# EAGLE board Mk4 Final Panel (EAGLE 9.0.1), part 16 of 18
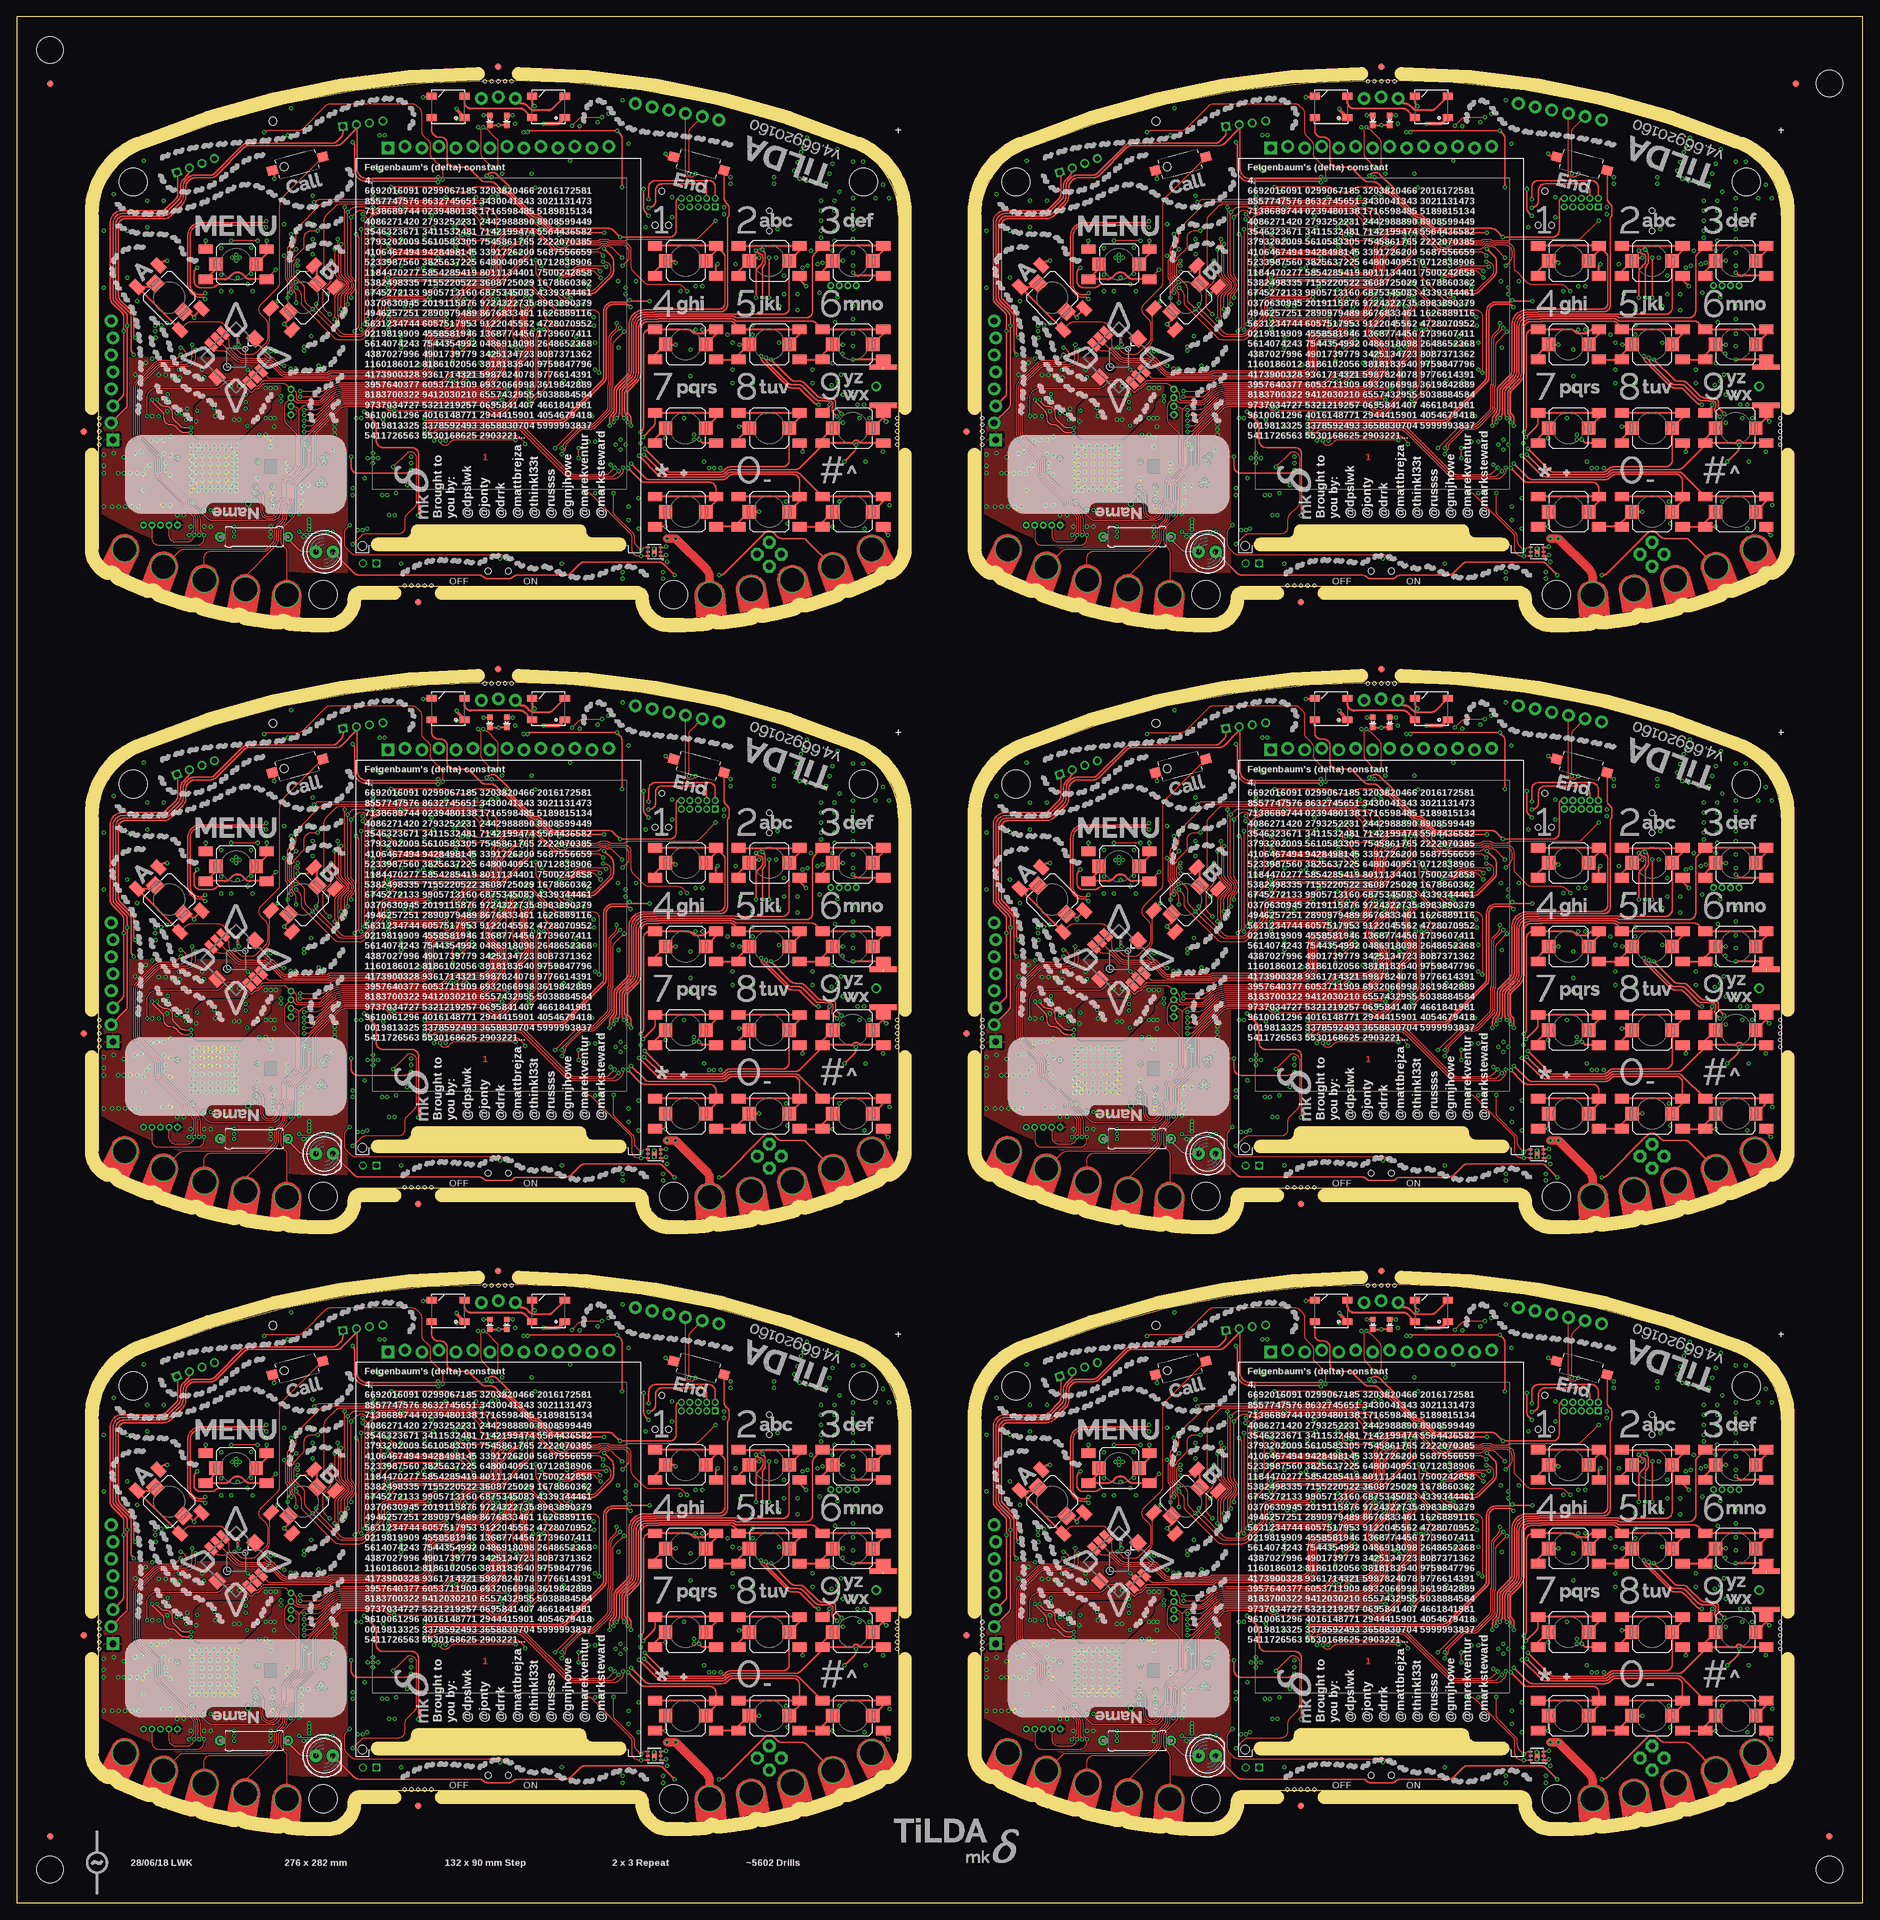
[diagram p0: board, top side]
## Tracks (layer width: path | path; a pad name or v marks a point on that pad's centre or on a via) (continued)
T4CCP10  (via drill 0.3) (continued)
  Bottom 0.15: v187.8,223.65 arc-45 187.29,223.86 184.34,226.81 arc45 182.92,227.4 177.23,227.4 arc-45 176.52,227.69 172.93,231.29 arc-45 172.8,231.6 172.8,231.75 arc90 171.05,233.5 168.06,233.5 arc-45 167.36,233.79 165.76,235.39 arc45 164.53,235.9 155.11,235.9 arc-45 v154.41,236.19 v154.4,236.2
  Bottom 0.2: v209,239.2 209.44,239.63 arc-90 210.14,239.63 210.43,239.35 arc45 210.78,239.2 IC92.127
T4CCP11  (via drill 0.3)
  Top 0.15: PCB5.CH1 172.38,201.9 arc45 172.09,202.61 171.74,202.96 arc-45 171.45,203.66 171.45,204.89 arc-45 171.74,205.59 173.28,207.12 arc45 173.6,207.91 173.6,211.46 arc-45 173.89,212.17 176.23,214.51 arc45 176.6,215.39 176.6,219.21 arc-45 176.89,219.92 180.38,223.41 arc-45 181.09,223.7 186.59,223.7 arc-45 187.29,223.41 187.45,223.25 arc45 187.81,223.1 v188.4,223.1 194,223.1 194.05,223.05 201.94,223.05 arc-45 202.64,222.76 arc45 203.02,222.6 204.08,222.6 arc45 205.14,223.04 206.66,224.56 arc45 207.1,225.62 207.1,229.49 arc-45 207.39,230.19 208.41,231.21 arc45 208.93,232.45 208.93,233.34 208.9,233.37 arc45 208.66,233.94 208.49,234.11 arc-45 208.2,234.81 208.2,237.19 arc-45 208.49,237.89 v209.8,239.2
  3V3@2 0.15: v153.6,235.9 153.6,233.6 153,233 151,233 150.25,232.25 150.25,231 148.16,228.91 JP53.5
  Bottom 0.15: v188.4,223.1 187.81,223.1 arc-45 187.45,223.25 184.11,226.59 arc45 182.88,227.1 177.11,227.1 arc-45 176.4,227.39 172.65,231.15 arc-45 172.5,231.5 172.5,231.7 arc90 171,233.2 168.02,233.2 arc-45 167.13,233.57 165.54,235.16 arc45 164.48,235.6 154.31,235.6 arc-45 v153.61,235.89 v153.6,235.9
  Bottom 0.2: IC92.128 210.41,238.8 arc-45 210.05,238.95 v209.8,239.2
TCA_!INT  (via drill 0.3)
  Top 0.15: v72.4,58.6 arc-45 72.12,58.02 70.29,56.19 arc90 70.29,53.71 71.85,52.15 arc-45 72,51.79 72,51.71 arc-45 71.85,51.35 71.65,51.15 arc45 71.5,50.79 71.5,50.35 arc-45 71.06,49.28 70.61,48.84 arc-45 69.55,48.4 66.91,48.4 arc45 66.21,48.11 v65.7,47.6
  Bottom 0.15: R76.1 66.7,39.25 arc-90 65.7,40.25 v65.7,47.6 | IC1.15 72.6,58.19 arc45 72.45,58.55 v72.4,58.6
  Bottom 0.2: IC4.22 87.71,38.25 arc-45 87.35,38.4 87.06,38.69 arc-45 87.05,38.72 arc45 86.9,39.07 86.87,39.1 arc45 86.52,39.25 R76.1
TCA_!INT1  (via drill 0.3)
  Top 0.15: v204.4,58.6 arc-45 204.12,58.02 202.29,56.19 arc90 202.29,53.71 203.85,52.15 arc-45 204,51.79 204,51.71 arc-45 203.85,51.35 203.65,51.15 arc45 203.5,50.79 203.5,50.35 arc-45 203.06,49.28 202.62,48.84 arc-45 201.55,48.4 198.91,48.4 arc45 198.21,48.11 v197.7,47.6
  Bottom 0.15: R152.1 198.7,39.25 arc-90 197.7,40.25 v197.7,47.6 | IC20.15 204.6,58.19 arc45 204.45,58.55 v204.4,58.6
  Bottom 0.2: IC31.22 219.71,38.25 arc-45 219.35,38.4 219.06,38.69 arc-45 219.05,38.72 arc45 218.9,39.07 218.87,39.1 arc45 218.51,39.25 R152.1
TCA_!INT2  (via drill 0.3)
  Top 0.15: v72.4,148.6 arc-45 72.12,148.02 70.29,146.19 arc90 70.29,143.71 71.85,142.15 arc-45 72,141.79 72,141.71 arc-45 71.85,141.35 71.65,141.15 arc45 71.5,140.79 71.5,140.35 arc-45 71.06,139.28 70.61,138.84 arc-45 69.55,138.4 66.91,138.4 arc45 66.21,138.11 v65.7,137.6
  Bottom 0.15: R230.1 66.7,129.25 arc-90 65.7,130.25 v65.7,137.6 | IC38.15 72.6,148.19 arc45 72.45,148.55 v72.4,148.6
  Bottom 0.2: IC49.22 87.71,128.25 arc-45 87.35,128.4 87.06,128.69 arc-45 87.05,128.72 arc45 86.9,129.07 86.87,129.1 arc45 86.52,129.25 R230.1
TCA_!INT3  (via drill 0.3)
  Top 0.15: v204.4,148.6 arc-45 204.12,148.02 202.29,146.19 arc90 202.29,143.71 203.85,142.15 arc-45 204,141.79 204,141.71 arc-45 203.85,141.35 203.65,141.15 arc45 203.5,140.79 203.5,140.35 arc-45 203.06,139.28 202.62,138.84 arc-45 201.55,138.4 198.91,138.4 arc45 198.21,138.11 v197.7,137.6
  Bottom 0.15: R308.1 198.7,129.25 arc-90 197.7,130.25 v197.7,137.6 | IC56.15 204.6,148.19 arc45 204.45,148.55 v204.4,148.6
  Bottom 0.2: IC67.22 219.71,128.25 arc-45 219.35,128.4 219.06,128.69 arc-45 219.05,128.72 arc45 218.9,129.07 218.87,129.1 arc45 218.51,129.25 R308.1
TCA_!INT4  (via drill 0.3)
  Top 0.15: v72.4,238.6 arc-45 72.12,238.02 70.29,236.19 arc90 70.29,233.71 71.85,232.15 arc-45 72,231.79 72,231.71 arc-45 71.85,231.35 71.65,231.15 arc45 71.5,230.79 71.5,230.35 arc-45 71.06,229.28 70.61,228.84 arc-45 69.55,228.4 66.91,228.4 arc45 66.21,228.11 v65.7,227.6
  Bottom 0.15: R386.1 66.7,219.25 arc-90 65.7,220.25 v65.7,227.6 | IC74.15 72.6,238.19 arc45 72.45,238.55 v72.4,238.6
  Bottom 0.2: IC85.22 87.71,218.25 arc-45 87.35,218.4 87.06,218.69 arc-45 87.05,218.72 arc45 86.9,219.07 86.87,219.1 arc45 86.52,219.25 R386.1
TCA_!INT5  (via drill 0.3)
  Top 0.15: v204.4,238.6 arc-45 204.12,238.02 202.29,236.19 arc90 202.29,233.71 203.85,232.15 arc-45 204,231.79 204,231.71 arc-45 203.85,231.35 203.65,231.15 arc45 203.5,230.79 203.5,230.35 arc-45 203.06,229.28 202.62,228.84 arc-45 201.55,228.4 198.91,228.4 arc45 198.21,228.11 v197.7,227.6
  Bottom 0.15: R464.1 198.7,219.25 arc-90 197.7,220.25 v197.7,227.6 | IC92.15 204.6,238.19 arc45 204.45,238.55 v204.4,238.6
  Bottom 0.2: IC103.22 219.71,218.25 arc-45 219.35,218.4 219.06,218.69 arc-45 219.05,218.72 arc45 218.9,219.07 218.87,219.1 arc45 218.51,219.25 R464.1
TPS_FB
  Bottom 0.25: IC9.2 R61.1 R60.2 C103.2
TPS_FB1
  Bottom 0.25: IC33.2 R139.1 R138.2 C211.2
TPS_FB2
  Bottom 0.25: IC51.2 R217.1 R216.2 C319.2
TPS_FB3
  Bottom 0.25: IC69.2 R295.1 R294.2 C427.2
TPS_FB4
  Bottom 0.25: IC87.2 R373.1 R372.2 C535.2
TPS_FB5
  Bottom 0.25: IC105.2 R451.1 R450.2 C643.2
UART0_CON_RX  (via drill 0.3)
  Top 0.15: v65.9,59.05 65.9,59.16 66.18,59.44 arc45 66.33,59.79 66.33,59.82 arc-45 66.47,60.17 67.51,61.21 arc-45 68.21,61.5 70.66,61.5 arc45 72.61,62.3 76.91,66.61 arc45 77.2,67.31 v77.2,69.5 | v101.5,78.5 v101.49,78.5 101.11,78.12 arc-45 100.76,77.97 100.47,77.97 arc-90 99.97,78.47 JP8.4
  Bottom 0.15: v65.9,59.05 65.85,59.05 65.75,58.95 arc-45 65.39,58.8 IC1.33 | v77.2,69.5 arc-45 77.47,70.14 80.13,72.81 arc-45 80.84,73.1 89.19,73.1 arc45 89.89,73.39 94.01,77.51 arc-45 94.71,77.8 100.59,77.8 arc45 100.95,77.95 v101.5,78.5
UART0_CON_RX1  (via drill 0.3)
  Top 0.15: v197.9,59.05 197.9,59.16 198.18,59.44 arc45 198.32,59.79 198.32,59.82 arc-45 198.47,60.17 199.51,61.21 arc-45 200.21,61.5 202.66,61.5 arc45 204.6,62.3 208.91,66.61 arc45 209.2,67.31 v209.2,69.5 | v233.5,78.5 v233.49,78.5 233.11,78.12 arc-45 232.76,77.97 232.47,77.97 arc-90 231.97,78.47 JP18.4
  Bottom 0.15: v197.9,59.05 197.85,59.05 197.75,58.95 arc-45 197.39,58.8 IC20.33 | v209.2,69.5 arc-45 209.47,70.14 212.13,72.81 arc-45 212.84,73.1 221.19,73.1 arc45 221.89,73.39 226.01,77.51 arc-45 226.71,77.8 232.59,77.8 arc45 232.95,77.95 v233.5,78.5
UART0_CON_RX2  (via drill 0.3)
  Top 0.15: v65.9,149.05 65.9,149.16 66.18,149.44 arc45 66.33,149.79 66.33,149.82 arc-45 66.47,150.17 67.51,151.21 arc-45 68.21,151.5 70.66,151.5 arc45 72.61,152.31 76.91,156.61 arc45 77.2,157.31 v77.2,159.5 | v101.5,168.5 v101.49,168.5 101.11,168.12 arc-45 100.76,167.97 100.47,167.97 arc-90 99.97,168.47 JP27.4
  Bottom 0.15: v65.9,149.05 65.85,149.05 65.75,148.95 arc-45 65.39,148.8 IC38.33 | v77.2,159.5 arc-45 77.47,160.14 80.13,162.81 arc-45 80.84,163.1 89.19,163.1 arc45 89.89,163.39 94.01,167.51 arc-45 94.71,167.8 100.59,167.8 arc45 100.95,167.95 v101.5,168.5
UART0_CON_RX3  (via drill 0.3)
  Top 0.15: v197.9,149.05 197.9,149.16 198.18,149.44 arc45 198.32,149.79 198.32,149.82 arc-45 198.47,150.17 199.51,151.21 arc-45 200.21,151.5 202.66,151.5 arc45 204.6,152.31 208.91,156.61 arc45 209.2,157.31 v209.2,159.5 | v233.5,168.5 v233.49,168.5 233.11,168.12 arc-45 232.76,167.97 232.47,167.97 arc-90 231.97,168.47 JP36.4
  Bottom 0.15: v197.9,149.05 197.85,149.05 197.75,148.95 arc-45 197.39,148.8 IC56.33 | v209.2,159.5 arc-45 209.47,160.14 212.13,162.81 arc-45 212.84,163.1 221.19,163.1 arc45 221.89,163.39 226.01,167.51 arc-45 226.71,167.8 232.59,167.8 arc45 232.95,167.95 v233.5,168.5
UART0_CON_RX4  (via drill 0.3)
  Top 0.15: v65.9,239.05 65.9,239.16 66.18,239.44 arc45 66.33,239.79 66.33,239.82 arc-45 66.47,240.17 67.51,241.21 arc-45 68.21,241.5 70.66,241.5 arc45 72.61,242.31 76.91,246.61 arc45 77.2,247.31 v77.2,249.5 | v101.5,258.5 v101.49,258.5 101.11,258.12 arc-45 100.76,257.98 100.47,257.98 arc-90 99.97,258.48 JP45.4
  Bottom 0.15: v65.9,239.05 65.85,239.05 65.75,238.95 arc-45 65.39,238.8 IC74.33 | v77.2,249.5 arc-45 77.47,250.14 80.13,252.81 arc-45 80.84,253.1 89.19,253.1 arc45 89.89,253.39 94.01,257.51 arc-45 94.71,257.8 100.59,257.8 arc45 100.95,257.95 v101.5,258.5
UART0_CON_RX5  (via drill 0.3)
  Top 0.15: v197.9,239.05 197.9,239.16 198.18,239.44 arc45 198.32,239.79 198.32,239.82 arc-45 198.47,240.17 199.51,241.21 arc-45 200.21,241.5 202.66,241.5 arc45 204.6,242.31 208.91,246.61 arc45 209.2,247.31 v209.2,249.5 | v233.5,258.5 v233.49,258.5 233.11,258.12 arc-45 232.76,257.98 232.47,257.98 arc-90 231.97,258.48 JP54.4
  Bottom 0.15: v197.9,239.05 197.85,239.05 197.75,238.95 arc-45 197.39,238.8 IC92.33 | v209.2,249.5 arc-45 209.47,250.14 212.13,252.81 arc-45 212.84,253.1 221.19,253.1 arc45 221.89,253.39 226.01,257.51 arc-45 226.71,257.8 232.59,257.8 arc45 232.95,257.95 v233.5,258.5
UART0_CON_TX  (via drill 0.3)
  Top 0.15: v65.8,59.8 arc-45 65.94,60.14 67.23,61.43 arc-45 68.12,61.8 70.56,61.8 arc45 72.33,62.53 76.11,66.31 arc45 76.4,67.01 v76.4,69.5 | v100.5,78.5 100.5,84.67 arc-45 100.79,85.38 JP8.5
  Bottom 0.15: v76.4,69.5 80.01,73.11 arc-45 80.71,73.4 89.04,73.4 arc45 89.74,73.69 93.86,77.81 arc-45 94.56,78.1 99.99,78.1 arc45 100.35,78.25 100.5,78.4 v100.5,78.5 | IC1.34 64.99,59.2 arc45 65.35,59.35 v65.8,59.8
UART0_CON_TX1  (via drill 0.3)
  Top 0.15: v197.8,59.8 arc-45 197.94,60.14 199.23,61.43 arc-45 200.12,61.8 202.56,61.8 arc45 204.33,62.53 208.11,66.31 arc45 208.4,67.01 v208.4,69.5 | v232.5,78.5 232.5,84.67 arc-45 232.79,85.38 JP18.5
  Bottom 0.15: v208.4,69.5 212.01,73.11 arc-45 212.71,73.4 221.04,73.4 arc45 221.74,73.69 225.86,77.81 arc-45 226.56,78.1 231.99,78.1 arc45 232.35,78.25 232.5,78.4 v232.5,78.5 | IC20.34 196.99,59.2 arc45 197.35,59.35 v197.8,59.8
UART0_CON_TX2  (via drill 0.3)
  Top 0.15: v65.8,149.8 arc-45 65.94,150.14 67.23,151.43 arc-45 68.12,151.8 70.56,151.8 arc45 72.33,152.53 76.11,156.31 arc45 76.4,157.01 v76.4,159.5 | v100.5,168.5 100.5,174.67 arc-45 100.79,175.38 JP27.5
  Bottom 0.15: v76.4,159.5 80.01,163.11 arc-45 80.71,163.4 89.04,163.4 arc45 89.74,163.69 93.86,167.81 arc-45 94.56,168.1 99.99,168.1 arc45 100.35,168.25 100.5,168.4 v100.5,168.5 | IC38.34 64.99,149.2 arc45 65.35,149.35 v65.8,149.8
UART0_CON_TX3  (via drill 0.3)
  Top 0.15: v197.8,149.8 arc-45 197.94,150.14 199.23,151.43 arc-45 200.12,151.8 202.56,151.8 arc45 204.33,152.53 208.11,156.31 arc45 208.4,157.01 v208.4,159.5 | v232.5,168.5 232.5,174.67 arc-45 232.79,175.38 JP36.5
  Bottom 0.15: v208.4,159.5 212.01,163.11 arc-45 212.71,163.4 221.04,163.4 arc45 221.74,163.69 225.86,167.81 arc-45 226.56,168.1 231.99,168.1 arc45 232.35,168.25 232.5,168.4 v232.5,168.5 | IC56.34 196.99,149.2 arc45 197.35,149.35 v197.8,149.8
UART0_CON_TX4  (via drill 0.3)
  Top 0.15: v65.8,239.8 arc-45 65.94,240.14 67.23,241.43 arc-45 68.12,241.8 70.56,241.8 arc45 72.33,242.53 76.11,246.31 arc45 76.4,247.01 v76.4,249.5 | v100.5,258.5 100.5,264.67 arc-45 100.79,265.38 JP45.5
  Bottom 0.15: v76.4,249.5 80.01,253.11 arc-45 80.71,253.4 89.04,253.4 arc45 89.74,253.69 93.86,257.81 arc-45 94.56,258.1 99.99,258.1 arc45 100.35,258.25 100.5,258.4 v100.5,258.5 | IC74.34 64.99,239.2 arc45 65.35,239.35 v65.8,239.8
UART0_CON_TX5  (via drill 0.3)
  Top 0.15: v197.8,239.8 arc-45 197.94,240.14 199.23,241.43 arc-45 200.12,241.8 202.56,241.8 arc45 204.33,242.53 208.11,246.31 arc45 208.4,247.01 v208.4,249.5 | v232.5,258.5 232.5,264.67 arc-45 232.79,265.38 JP54.5
  Bottom 0.15: v208.4,249.5 212.01,253.11 arc-45 212.71,253.4 221.04,253.4 arc45 221.74,253.69 225.86,257.81 arc-45 226.56,258.1 231.99,258.1 arc45 232.35,258.25 232.5,258.4 v232.5,258.5 | IC92.34 196.99,239.2 arc45 197.35,239.35 v197.8,239.8
UART1_SIM_RX  (via drill 0.3)
  Top 0.15: v81.1,63.4 82.34,63.4 arc45 83.04,63.69 83.38,64.03 arc-45 84.27,64.4 86.66,64.4 arc-45 86.9,64.3 v87.25,63.95
  Bottom 0.15: R36.1 TP9.TP 97.09,47.91 arc-45 96.8,48.61 96.8,51.34 arc45 96.51,52.05 87.52,61.04 arc-45 87.22,61.75 87.22,62.01 arc45 87.08,62.36 86.92,62.52 arc-45 86.78,62.87 86.78,63.01 arc-45 86.92,63.36 87.07,63.51 arc45 v87.25,63.95 | IC1.118 80.5,62.8 v81.1,63.4
UART1_SIM_RX1  (via drill 0.3)
  Top 0.15: v213.1,63.4 214.34,63.4 arc45 215.04,63.69 215.38,64.03 arc-45 216.27,64.4 218.66,64.4 arc-45 218.9,64.3 v219.25,63.95
  Bottom 0.15: R119.1 TP28.TP 229.09,47.91 arc-45 228.8,48.61 228.8,51.34 arc45 228.51,52.05 219.52,61.04 arc-45 219.22,61.75 219.22,62.01 arc45 219.08,62.36 218.92,62.52 arc-45 218.78,62.87 218.78,63.01 arc-45 218.92,63.36 219.07,63.51 arc45 v219.25,63.95 | IC20.118 212.5,62.8 v213.1,63.4
UART1_SIM_RX2  (via drill 0.3)
  Top 0.15: v81.1,153.4 82.34,153.4 arc45 83.04,153.69 83.38,154.03 arc-45 84.27,154.4 86.66,154.4 arc-45 86.9,154.3 v87.25,153.95
  Bottom 0.15: R197.1 TP47.TP 97.09,137.91 arc-45 96.8,138.61 96.8,141.34 arc45 96.51,142.05 87.52,151.04 arc-45 87.22,151.75 87.22,152.01 arc45 87.08,152.36 86.92,152.52 arc-45 86.78,152.87 86.78,153.01 arc-45 86.92,153.36 87.07,153.51 arc45 v87.25,153.95 | IC38.118 80.5,152.8 v81.1,153.4
UART1_SIM_RX3  (via drill 0.3)
  Top 0.15: v213.1,153.4 214.34,153.4 arc45 215.04,153.69 215.38,154.03 arc-45 216.27,154.4 218.66,154.4 arc-45 218.9,154.3 v219.25,153.95
  Bottom 0.15: R275.1 TP66.TP 229.09,137.91 arc-45 228.8,138.61 228.8,141.34 arc45 228.51,142.05 219.52,151.04 arc-45 219.22,151.75 219.22,152.01 arc45 219.08,152.36 218.92,152.52 arc-45 218.78,152.87 218.78,153.01 arc-45 218.92,153.36 219.07,153.51 arc45 v219.25,153.95 | IC56.118 212.5,152.8 v213.1,153.4
UART1_SIM_RX4  (via drill 0.3)
  Top 0.15: v81.1,243.4 82.34,243.4 arc45 83.04,243.69 83.38,244.03 arc-45 84.27,244.4 86.66,244.4 arc-45 86.9,244.3 v87.25,243.95
  Bottom 0.15: R353.1 TP85.TP 97.09,227.91 arc-45 96.8,228.61 96.8,231.34 arc45 96.51,232.05 87.52,241.04 arc-45 87.22,241.75 87.22,242.01 arc45 87.08,242.36 86.92,242.52 arc-45 86.78,242.87 86.78,243.01 arc-45 86.92,243.36 87.07,243.51 arc45 v87.25,243.95 | IC74.118 80.5,242.8 v81.1,243.4
UART1_SIM_RX5  (via drill 0.3)
  Top 0.15: v213.1,243.4 214.34,243.4 arc45 215.04,243.69 215.38,244.03 arc-45 216.27,244.4 218.66,244.4 arc-45 218.9,244.3 v219.25,243.95
  Bottom 0.15: R431.1 TP104.TP 229.09,227.91 arc-45 228.8,228.61 228.8,231.34 arc45 228.51,232.05 219.52,241.04 arc-45 219.22,241.75 219.22,242.01 arc45 219.08,242.36 218.92,242.52 arc-45 218.78,242.87 218.78,243.01 arc-45 218.92,243.36 219.07,243.51 arc45 v219.25,243.95 | IC92.118 212.5,242.8 v213.1,243.4
UART1_SIM_TX  (via drill 0.3)
  Top 0.15: v81.1,62.6 81.6,63.1 82.54,63.1 arc45 83.24,63.39 83.66,63.81 arc-45 84.36,64.1 85.79,64.1 arc-45 86.49,63.81 v87.3,63
  Bottom 0.15: R37.1 TP8.TP 97.39,49.61 arc-45 97.1,50.31 97.1,51.47 arc45 96.81,52.17 87.82,61.16 arc-45 87.53,61.87 87.53,62.56 arc45 87.38,62.91 87.3,62.99 v87.3,63 | IC1.119 80.9,62.4 v81.1,62.6
UART1_SIM_TX1  (via drill 0.3)
  Top 0.15: v213.1,62.6 213.6,63.1 214.54,63.1 arc45 215.24,63.39 215.66,63.81 arc-45 216.36,64.1 217.79,64.1 arc-45 218.49,63.81 v219.3,63
  Bottom 0.15: R120.1 TP27.TP 229.39,49.61 arc-45 229.1,50.31 229.1,51.47 arc45 228.81,52.17 219.82,61.16 arc-45 219.53,61.87 219.53,62.56 arc45 219.38,62.91 219.3,62.99 v219.3,63 | IC20.119 212.9,62.4 v213.1,62.6
UART1_SIM_TX2  (via drill 0.3)
  Top 0.15: v81.1,152.6 81.6,153.1 82.54,153.1 arc45 83.24,153.39 83.66,153.81 arc-45 84.36,154.1 85.79,154.1 arc-45 86.49,153.81 v87.3,153
  Bottom 0.15: R198.1 TP46.TP 97.39,139.61 arc-45 97.1,140.31 97.1,141.47 arc45 96.81,142.18 87.82,151.16 arc-45 87.53,151.87 87.53,152.56 arc45 87.38,152.91 v87.3,152.99 v87.3,153 | IC38.119 80.9,152.4 v81.1,152.6
UART1_SIM_TX3  (via drill 0.3)
  Top 0.15: v213.1,152.6 213.6,153.1 214.54,153.1 arc45 215.24,153.39 215.66,153.81 arc-45 216.36,154.1 217.79,154.1 arc-45 218.49,153.81 v219.3,153
  Bottom 0.15: R276.1 TP65.TP 229.39,139.61 arc-45 229.1,140.31 229.1,141.47 arc45 228.81,142.18 219.82,151.16 arc-45 219.53,151.87 219.53,152.56 arc45 219.38,152.91 v219.3,152.99 v219.3,153 | IC56.119 212.9,152.4 v213.1,152.6
UART1_SIM_TX4  (via drill 0.3)
  Top 0.15: v81.1,242.6 81.6,243.1 82.54,243.1 arc45 83.24,243.39 83.66,243.81 arc-45 84.36,244.1 85.79,244.1 arc-45 86.49,243.81 v87.3,243
  Bottom 0.15: R354.1 TP84.TP 97.39,229.61 arc-45 97.1,230.31 97.1,231.47 arc45 96.81,232.18 87.82,241.16 arc-45 87.53,241.87 87.53,242.56 arc45 87.38,242.91 v87.3,242.99 v87.3,243 | IC74.119 80.9,242.4 v81.1,242.6
UART1_SIM_TX5  (via drill 0.3)
  Top 0.15: v213.1,242.6 213.6,243.1 214.54,243.1 arc45 215.24,243.39 215.66,243.81 arc-45 216.36,244.1 217.79,244.1 arc-45 218.49,243.81 v219.3,243
  Bottom 0.15: R432.1 TP103.TP 229.39,229.61 arc-45 229.1,230.31 229.1,231.47 arc45 228.81,232.18 219.82,241.16 arc-45 219.53,241.87 219.53,242.56 arc45 219.38,242.91 v219.3,242.99 v219.3,243 | IC92.119 212.9,242.4 v213.1,242.6
UART3_CC_RX  (via drill 0.3)
  Top 0.15: v35.75,31.75 36.46,31.04 arc-45 36.75,30.34 36.75,28.25 arc90 37.75,27.25 37.8,27.25 arc90 38.8,28.25 arc-45 39.24,29.31 39.51,29.58 arc45 39.8,30.29 39.8,31.95 arc-45 40.31,33.19 41.66,34.53 arc45 41.95,35.24 41.95,39.14 arc45 41.66,39.84 40.29,41.21 arc-45 40,41.91 40,43.63 arc-45 40.29,44.33 JP5.3 41.04,45.04 41.48,44.59 arc45 42.19,44.3 44.94,44.3 arc45 45.82,44.67 46.68,45.52 arc-45 48.8,46.4 69.01,46.4 arc45 69.9,46.77 72.11,48.98 arc45 72.4,49.68 72.4,50.19 arc-45 72.55,50.55 72.75,50.75 arc45 72.9,51.11 72.9,51.98 arc45 72.53,52.87 71.1,54.3 arc-90 71.1,55.71 73.45,58.06 arc45 73.6,58.42 73.6,58.43 arc-45 73.75,58.78 arc45 73.83,58.97 73.83,60.12 arc-45 73.97,60.47 v74,60.5
  Bottom 0.15: IC15.55 34.35,35.25 arc-90 35.35,34.25 35.35,32.35 arc45 35.41,32.21 35.47,32.15 arc-45 35.52,32.01 35.52,31.98 v35.75,31.75 R68.1 | IC1.116 75,63.6 arc90 74,62.6 v74,60.5
UART3_CC_RX1  (via drill 0.3)
  Top 0.15: v167.75,31.75 168.46,31.04 arc-45 168.75,30.34 168.75,28.25 arc90 169.75,27.25 169.8,27.25 arc90 170.8,28.25 arc-45 171.24,29.31 171.51,29.58 arc45 171.8,30.29 171.8,31.95 arc-45 172.31,33.19 173.66,34.53 arc45 173.95,35.24 173.95,39.14 arc45 173.66,39.84 172.29,41.21 arc-45 172,41.91 172,43.63 arc-45 172.29,44.33 JP16.3 173.04,45.04 173.48,44.59 arc45 174.19,44.3 176.94,44.3 arc45 177.82,44.67 178.68,45.52 arc-45 180.8,46.4 201.01,46.4 arc45 201.9,46.77 204.11,48.98 arc45 204.4,49.68 204.4,50.19 arc-45 204.55,50.55 204.75,50.75 arc45 204.9,51.11 204.9,51.98 arc45 204.53,52.87 203.1,54.3 arc-90 203.1,55.71 205.45,58.06 arc45 205.6,58.42 205.6,58.43 arc-45 205.75,58.78 arc45 205.82,58.97 205.82,60.12 arc-45 205.97,60.47 v206,60.5
  Bottom 0.15: IC29.55 166.35,35.25 arc-90 167.35,34.25 167.35,32.35 arc45 167.41,32.21 167.47,32.15 arc-45 167.53,32.01 167.53,31.98 v167.75,31.75 R146.1 | IC20.116 207,63.6 arc90 206,62.6 v206,60.5
UART3_CC_RX2  (via drill 0.3)
  Top 0.15: v35.75,121.75 36.46,121.04 arc-45 36.75,120.34 36.75,118.25 arc90 37.75,117.25 37.8,117.25 arc90 38.8,118.25 arc-45 39.24,119.31 39.51,119.58 arc45 39.8,120.29 39.8,121.95 arc-45 40.31,123.19 41.66,124.53 arc45 41.95,125.24 41.95,129.14 arc45 41.66,129.84 40.29,131.21 arc-45 40,131.91 40,133.63 arc-45 40.29,134.33 JP25.3 41.04,135.04 41.48,134.59 arc45 42.19,134.3 44.94,134.3 arc45 45.82,134.67 46.68,135.52 arc-45 48.8,136.4 69.01,136.4 arc45 69.9,136.77 72.11,138.98 arc45 72.4,139.68 72.4,140.19 arc-45 72.55,140.55 72.75,140.75 arc45 72.9,141.11 72.9,141.98 arc45 72.53,142.87 71.1,144.3 arc-90 71.1,145.71 73.45,148.06 arc45 73.6,148.42 73.6,148.43 arc-45 73.75,148.78 arc45 73.83,148.97 73.83,150.12 arc-45 73.97,150.47 v74,150.5
  Bottom 0.15: IC47.55 34.35,125.25 arc-90 35.35,124.25 35.35,122.35 arc45 35.41,122.21 35.47,122.15 arc-45 35.52,122.01 35.52,121.97 v35.75,121.75 R224.1 | IC38.116 75,153.6 arc90 74,152.6 v74,150.5
UART3_CC_RX3  (via drill 0.3)
  Top 0.15: v167.75,121.75 168.46,121.04 arc-45 168.75,120.34 168.75,118.25 arc90 169.75,117.25 169.8,117.25 arc90 170.8,118.25 arc-45 171.24,119.31 171.51,119.58 arc45 171.8,120.29 171.8,121.95 arc-45 172.31,123.19 173.66,124.53 arc45 173.95,125.24 173.95,129.14 arc45 173.66,129.84 172.29,131.21 arc-45 172,131.91 172,133.63 arc-45 172.29,134.33 JP34.3 173.04,135.04 173.48,134.59 arc45 174.19,134.3 176.94,134.3 arc45 177.82,134.67 178.68,135.52 arc-45 180.8,136.4 201.01,136.4 arc45 201.9,136.77 204.11,138.98 arc45 204.4,139.68 204.4,140.19 arc-45 204.55,140.55 204.75,140.75 arc45 204.9,141.11 204.9,141.98 arc45 204.53,142.87 203.1,144.3 arc-90 203.1,145.71 205.45,148.06 arc45 205.6,148.42 205.6,148.43 arc-45 205.75,148.78 arc45 205.82,148.97 205.82,150.12 arc-45 205.97,150.47 v206,150.5
  Bottom 0.15: IC65.55 166.35,125.25 arc-90 167.35,124.25 167.35,122.35 arc45 167.41,122.21 167.47,122.15 arc-45 167.53,122.01 167.53,121.97 v167.75,121.75 R302.1 | IC56.116 207,153.6 arc90 206,152.6 v206,150.5
UART3_CC_RX4  (via drill 0.3)
  Top 0.15: v35.75,211.75 36.46,211.04 arc-45 36.75,210.34 36.75,208.25 arc90 37.75,207.25 37.8,207.25 arc90 38.8,208.25 arc-45 39.24,209.31 39.51,209.58 arc45 39.8,210.29 39.8,211.95 arc-45 40.31,213.19 41.66,214.53 arc45 41.95,215.24 41.95,219.14 arc45 41.66,219.84 40.29,221.21 arc-45 40,221.91 40,223.63 arc-45 40.29,224.33 JP43.3 41.04,225.04 41.48,224.59 arc45 42.19,224.3 44.94,224.3 arc45 45.82,224.67 46.68,225.52 arc-45 48.8,226.4 69.01,226.4 arc45 69.9,226.77 72.11,228.98 arc45 72.4,229.68 72.4,230.19 arc-45 72.55,230.55 72.75,230.75 arc45 72.9,231.11 72.9,231.98 arc45 72.53,232.87 71.1,234.3 arc-90 71.1,235.71 73.45,238.06 arc45 73.6,238.42 73.6,238.43 arc-45 73.75,238.78 arc45 73.83,238.97 73.83,240.12 arc-45 73.97,240.47 v74,240.5
  Bottom 0.15: IC83.55 34.35,215.25 arc-90 35.35,214.25 35.35,212.35 arc45 35.41,212.21 35.47,212.15 arc-45 35.52,212.01 35.52,211.97 v35.75,211.75 R380.1 | IC74.116 75,243.6 arc90 74,242.6 v74,240.5
UART3_CC_RX5  (via drill 0.3)
  Top 0.15: v167.75,211.75 168.46,211.04 arc-45 168.75,210.34 168.75,208.25 arc90 169.75,207.25 169.8,207.25 arc90 170.8,208.25 arc-45 171.24,209.31 171.51,209.58 arc45 171.8,210.29 171.8,211.95 arc-45 172.31,213.19 173.66,214.53 arc45 173.95,215.24 173.95,219.14 arc45 173.66,219.84 172.29,221.21 arc-45 172,221.91 172,223.63 arc-45 172.29,224.33 JP52.3 173.04,225.04 173.48,224.59 arc45 174.19,224.3 176.94,224.3 arc45 177.82,224.67 178.68,225.52 arc-45 180.8,226.4 201.01,226.4 arc45 201.9,226.77 204.11,228.98 arc45 204.4,229.68 204.4,230.19 arc-45 204.55,230.55 204.75,230.75 arc45 204.9,231.11 204.9,231.98 arc45 204.53,232.87 203.1,234.3 arc-90 203.1,235.71 205.45,238.06 arc45 205.6,238.42 205.6,238.43 arc-45 205.75,238.78 arc45 205.82,238.97 205.82,240.12 arc-45 205.97,240.47 v206,240.5
  Bottom 0.15: IC101.55 166.35,215.25 arc-90 167.35,214.25 167.35,212.35 arc45 167.41,212.21 167.47,212.15 arc-45 167.53,212.01 167.53,211.97 v167.75,211.75 R458.1 | IC92.116 207,243.6 arc90 206,242.6 v206,240.5
UART3_CC_TX  (via drill 0.3)
  Top 0.15: v35.75,29.75 36.45,29.05 36.45,28.2 arc90 37.7,26.95 37.85,26.95 arc90 39.1,28.2 arc-45 39.49,29.14 39.73,29.38 arc45 40.1,30.27 40.1,31.62 arc-45 40.76,33.21 41.88,34.33 arc45 42.25,35.22 42.25,43.25 | 42.25,43.25 42.71,43.71 arc-45 43.41,44 44.96,44 arc45 46.02,44.44 46.88,45.3 arc-45 48.82,46.1 69.03,46.1 arc45 70.09,46.54 72.41,48.85 arc45 72.7,49.56 72.7,50.02 arc-45 72.85,50.37 73.05,50.58 arc45 73.2,50.93 73.2,57.09 arc-45 73.41,57.59 73.75,57.94 arc45 73.9,58.29 73.9,58.3 arc-45 74.05,58.66 arc45 74.12,58.84 74.12,59.67 arc-45 74.27,60.02 v74.75,60.5 | JP5.2 41.32,43.77 arc-45 42.02,43.48 42.25,43.25
  Bottom 0.15: IC15.57 arc-90 34.65,33.55 34.65,32.06 arc45 34.71,31.92 34.77,31.86 arc-45 34.83,31.72 34.83,31.09 arc45 35.12,30.38 v35.75,29.75 R69.1 | v74.75,60.5 74.75,62.27 arc-90 75.75,63.27 77.62,63.27 77.69,63.2 IC1.117
UART3_CC_TX1  (via drill 0.3)
  Top 0.15: v167.75,29.75 168.45,29.05 168.45,28.2 arc90 169.7,26.95 169.85,26.95 arc90 171.1,28.2 arc-45 171.49,29.14 171.73,29.38 arc45 172.1,30.27 172.1,31.62 arc-45 172.76,33.21 173.88,34.33 arc45 174.25,35.22 174.25,43.25 | 174.25,43.25 174.71,43.71 arc-45 175.41,44 176.96,44 arc45 178.02,44.44 178.88,45.3 arc-45 180.82,46.1 201.03,46.1 arc45 202.09,46.54 204.41,48.85 arc45 204.7,49.56 204.7,50.02 arc-45 204.85,50.37 205.05,50.58 arc45 205.2,50.93 205.2,57.09 arc-45 205.41,57.59 205.75,57.94 arc45 205.9,58.29 205.9,58.3 arc-45 206.05,58.66 arc45 206.12,58.84 206.12,59.67 arc-45 206.27,60.02 v206.75,60.5 | JP16.2 173.32,43.77 arc-45 174.02,43.48 174.25,43.25
  Bottom 0.15: IC29.57 arc-90 166.65,33.55 166.65,32.06 arc45 166.71,31.92 166.77,31.86 arc-45 166.82,31.72 166.82,31.09 arc45 167.12,30.38 v167.75,29.75 R147.1 | v206.75,60.5 206.75,62.27 arc-90 207.75,63.27 209.62,63.27 209.69,63.2 IC20.117
UART3_CC_TX2  (via drill 0.3)
  Top 0.15: v35.75,119.75 36.45,119.05 36.45,118.2 arc90 37.7,116.95 37.85,116.95 arc90 39.1,118.2 arc-45 39.49,119.14 39.73,119.38 arc45 40.1,120.27 40.1,121.62 arc-45 40.76,123.21 41.88,124.33 arc45 42.25,125.22 42.25,133.25 | 42.25,133.25 42.71,133.71 arc-45 43.41,134 44.96,134 arc45 46.02,134.44 46.88,135.3 arc-45 48.82,136.1 69.03,136.1 arc45 70.09,136.54 72.41,138.85 arc45 72.7,139.56 72.7,140.02 arc-45 72.85,140.37 73.05,140.58 arc45 73.2,140.93 73.2,147.09 arc-45 73.41,147.59 73.75,147.94 arc45 73.9,148.29 73.9,148.3 arc-45 74.05,148.66 arc45 74.12,148.84 74.12,149.67 arc-45 74.27,150.02 v74.75,150.5 | JP25.2 41.32,133.77 arc-45 42.02,133.48 42.25,133.25